# Altium PCB open-watch.PcbDoc
Units mil, origin at the board's own origin, x right, y up, seen from the top; angles counter-clockwise.
Board outline 1968.38 x 1968.4 mil, 4 copper layers (Top Layer, Inner1, Inner2, Bottom Layer), stack 23.756 mil thick; 81 components, 54 nets, 326 pads, 240 vias.
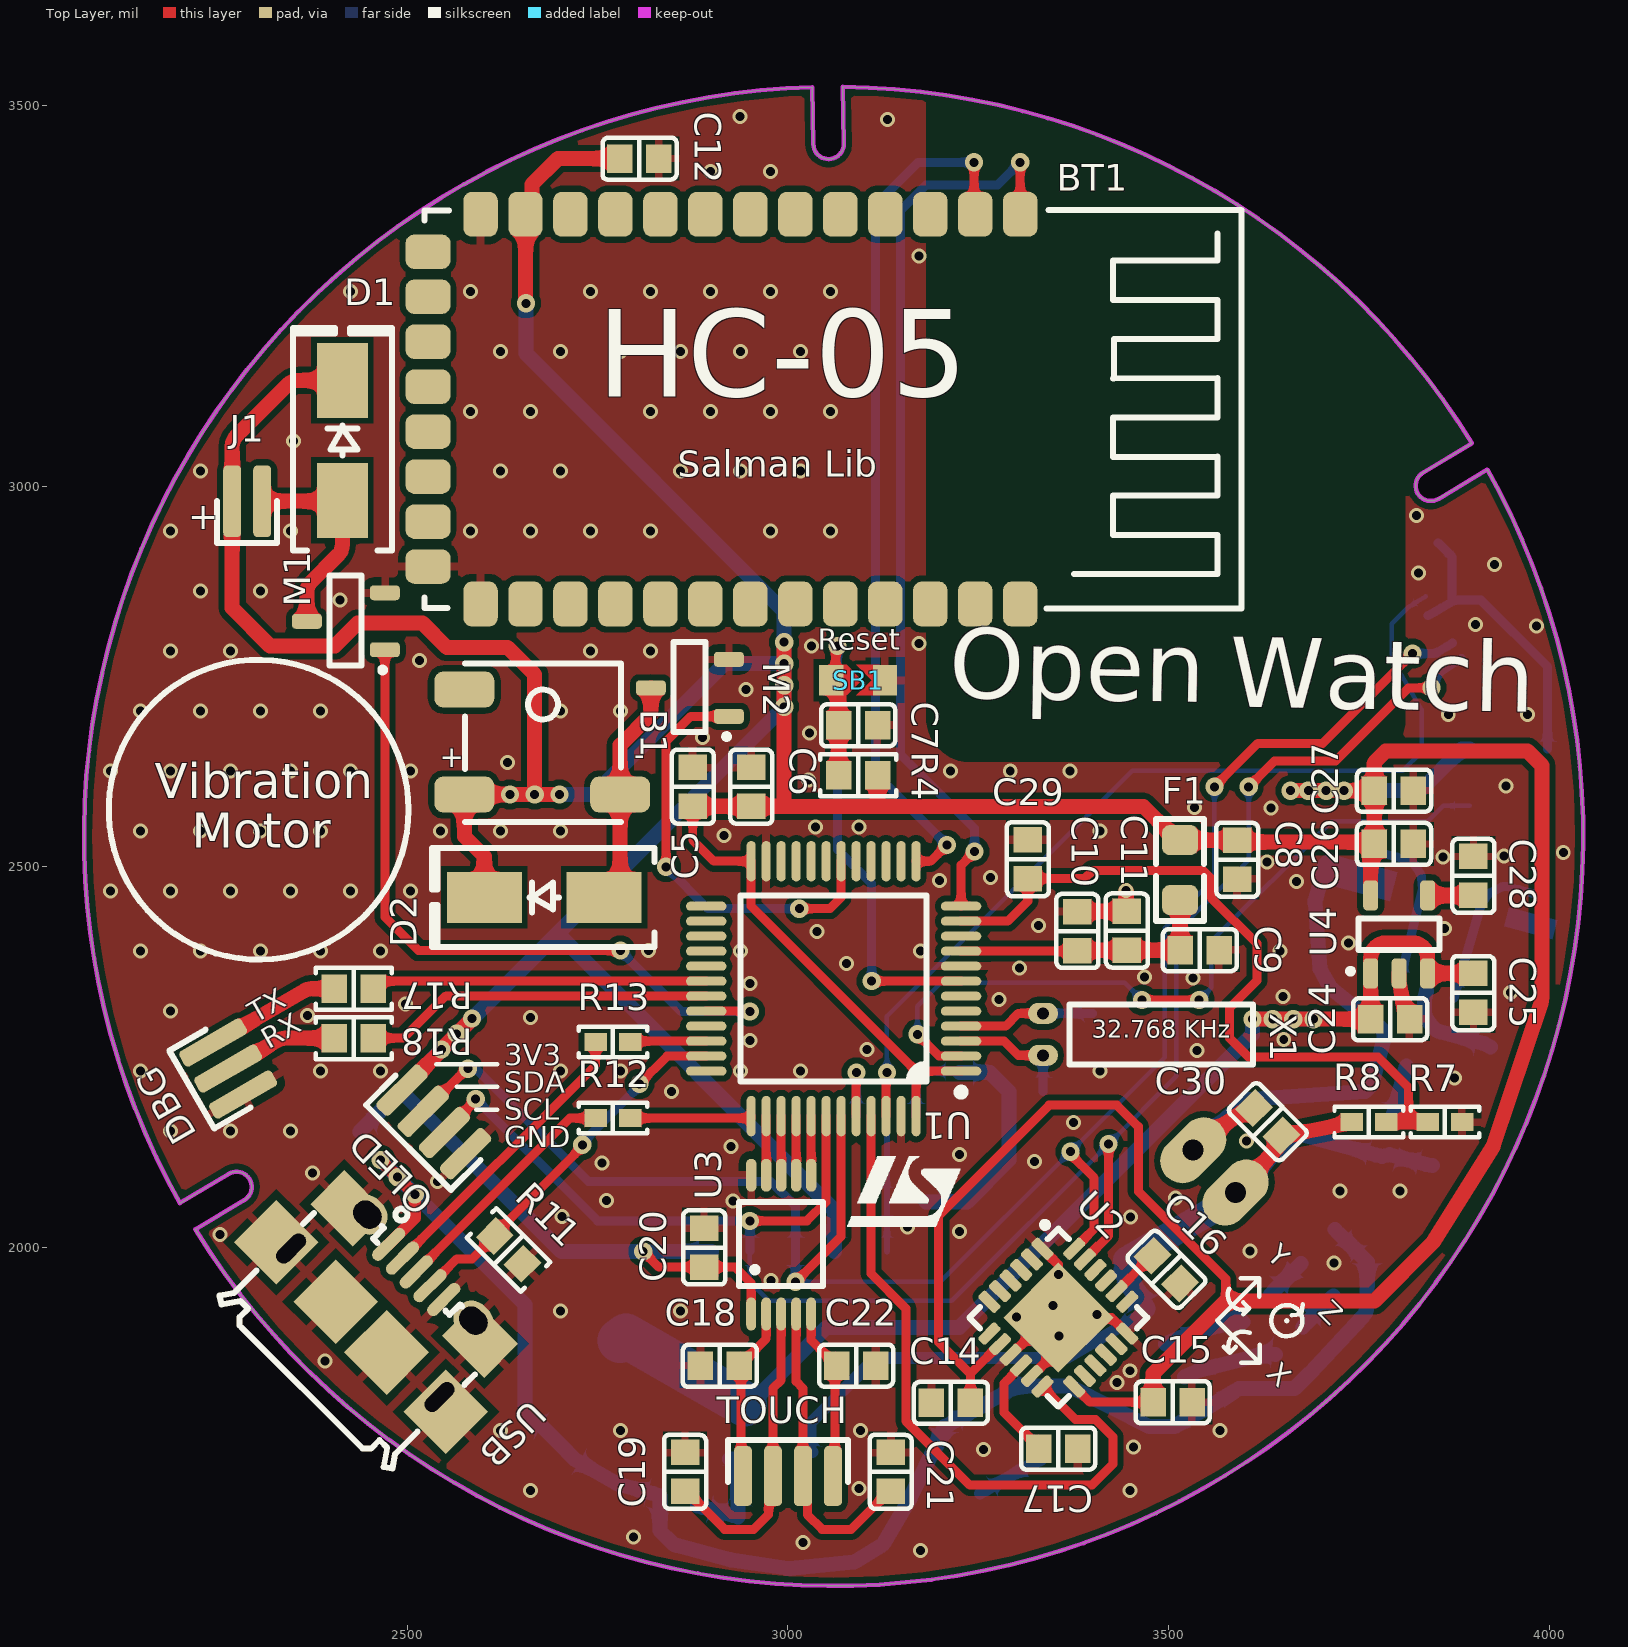
[diagram p0: Top Layer view]
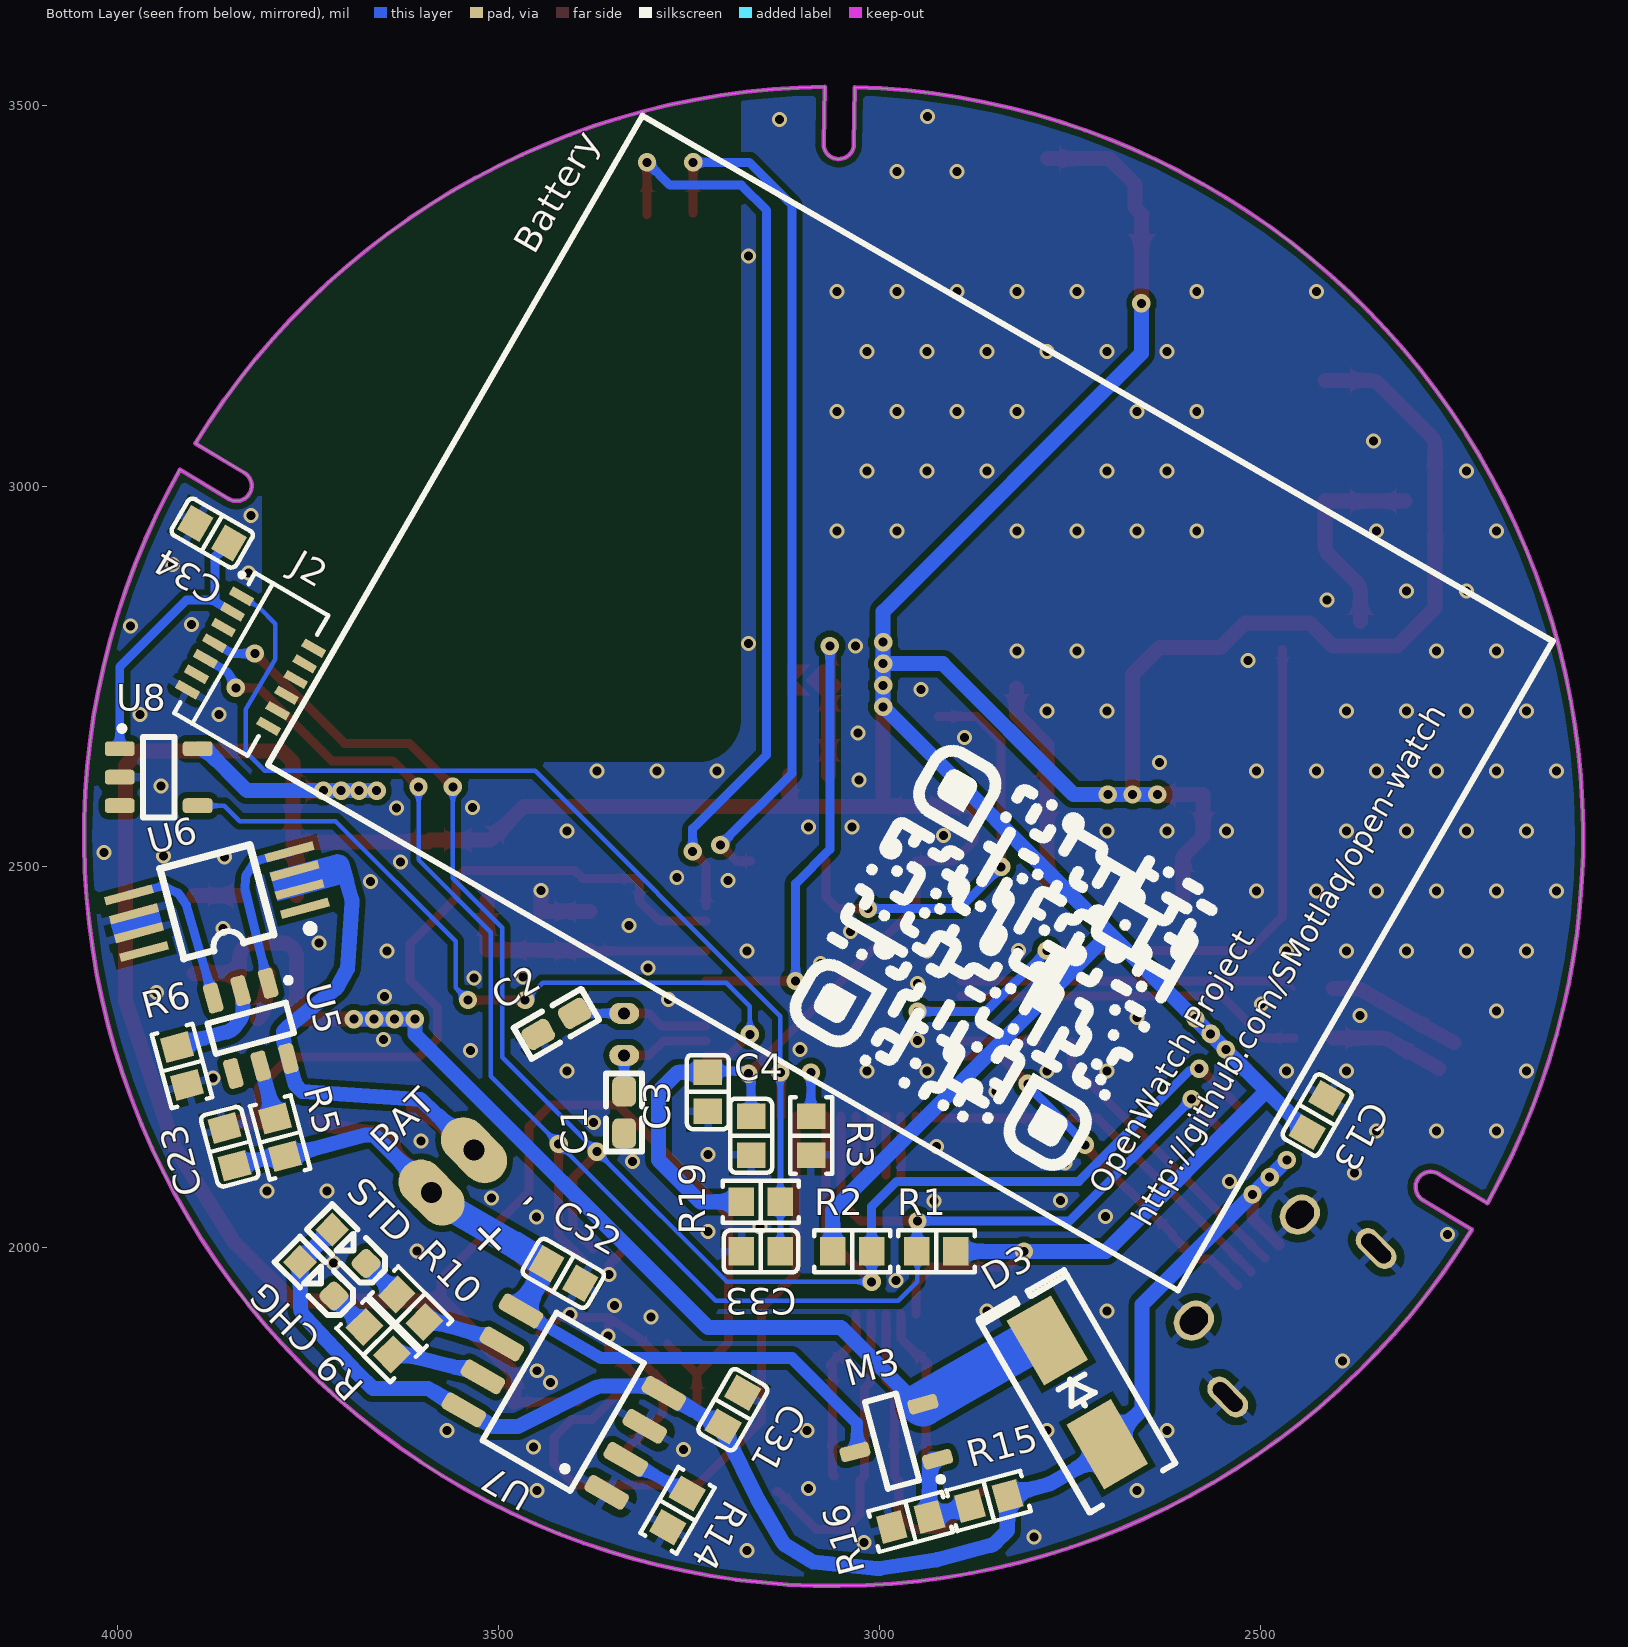
[diagram p1: Bottom Layer view, seen from below]
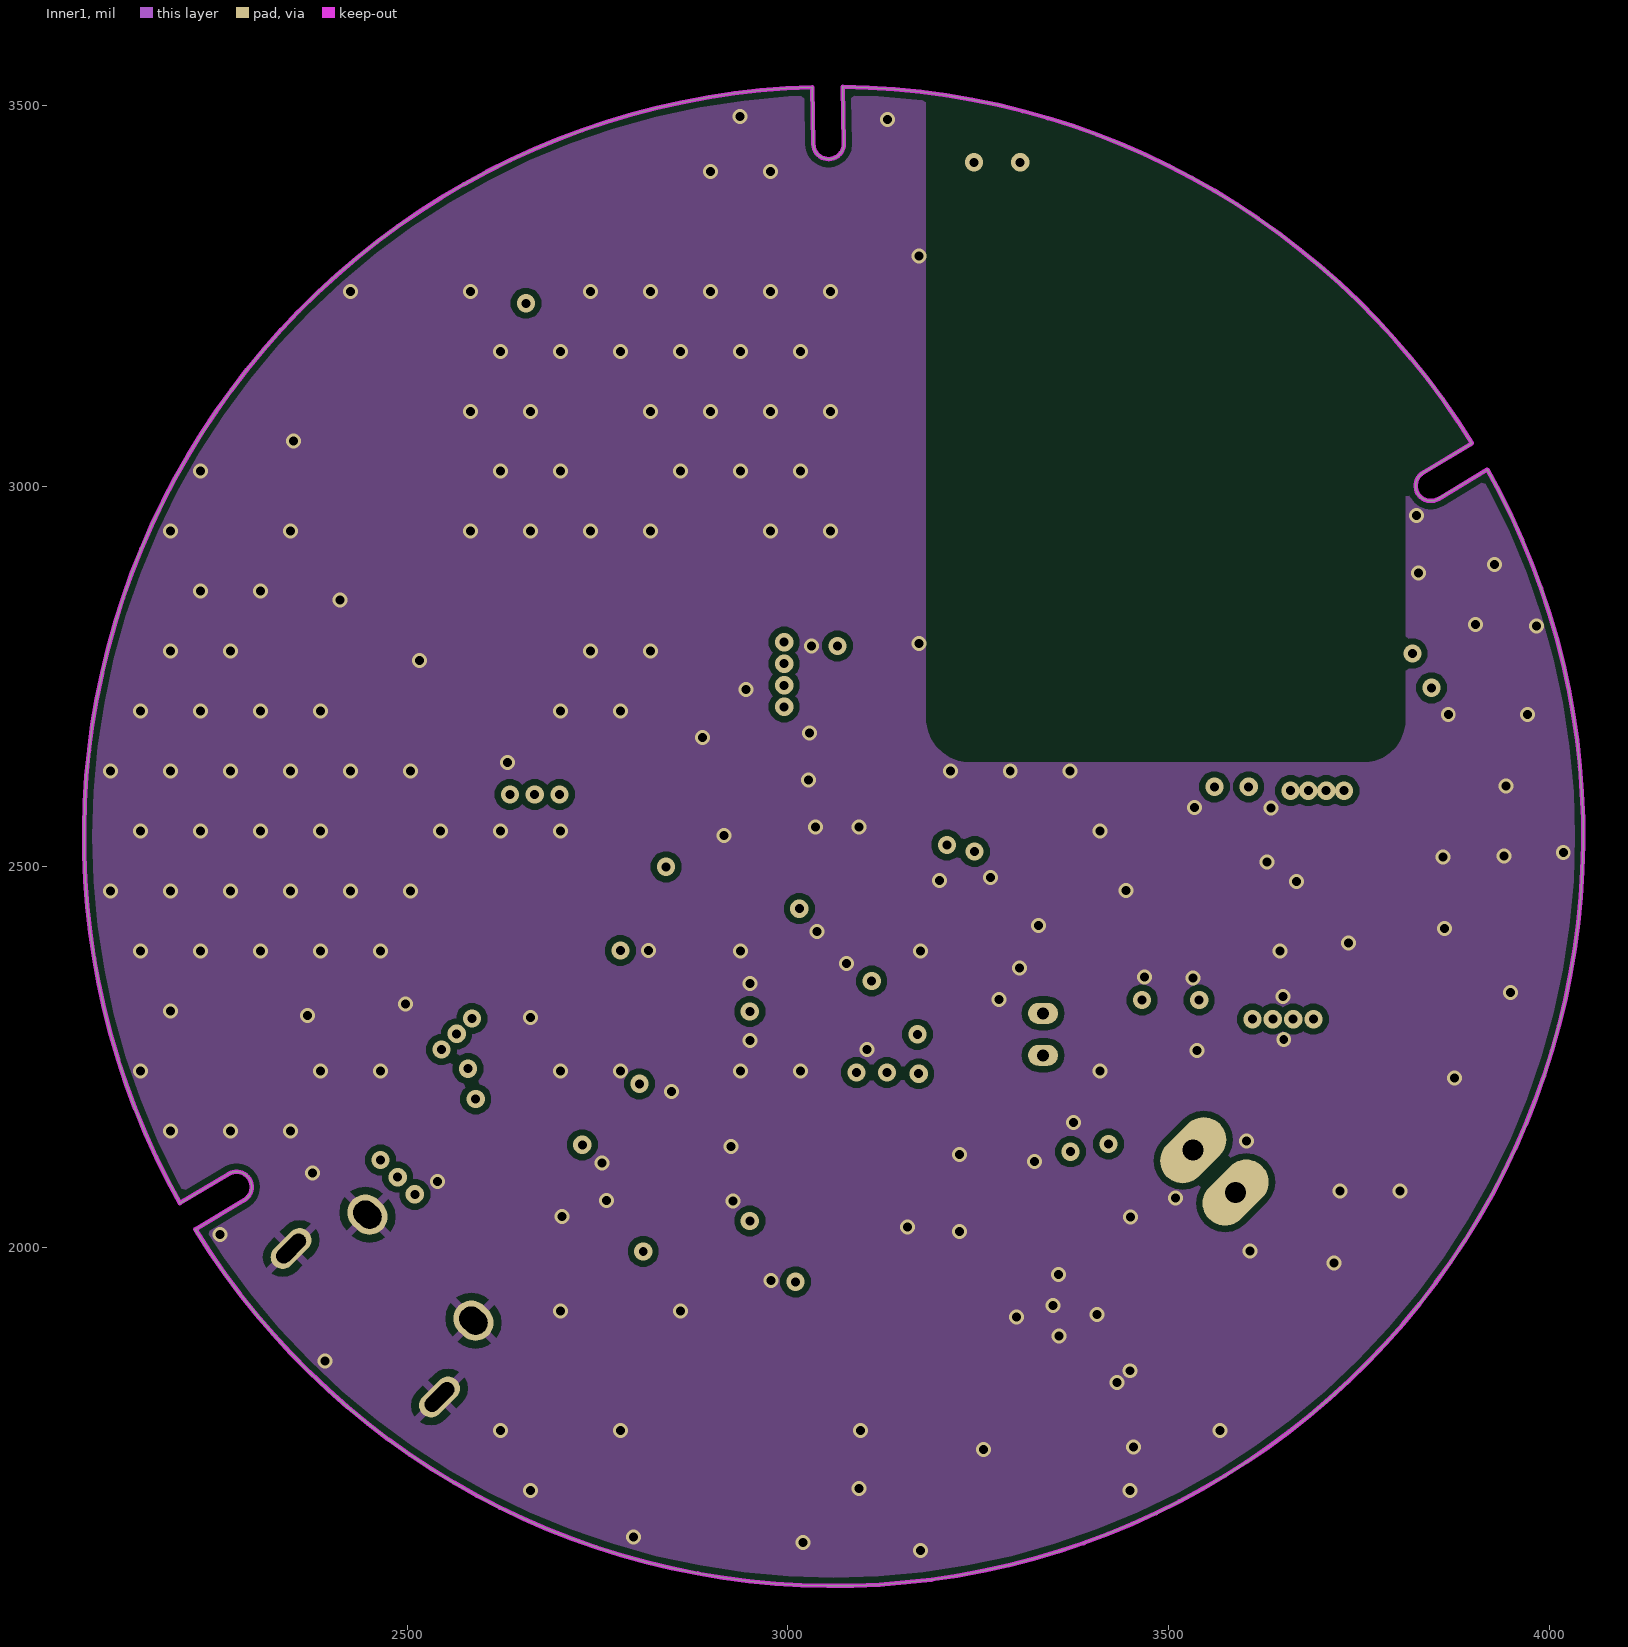
[diagram p2: Inner1]
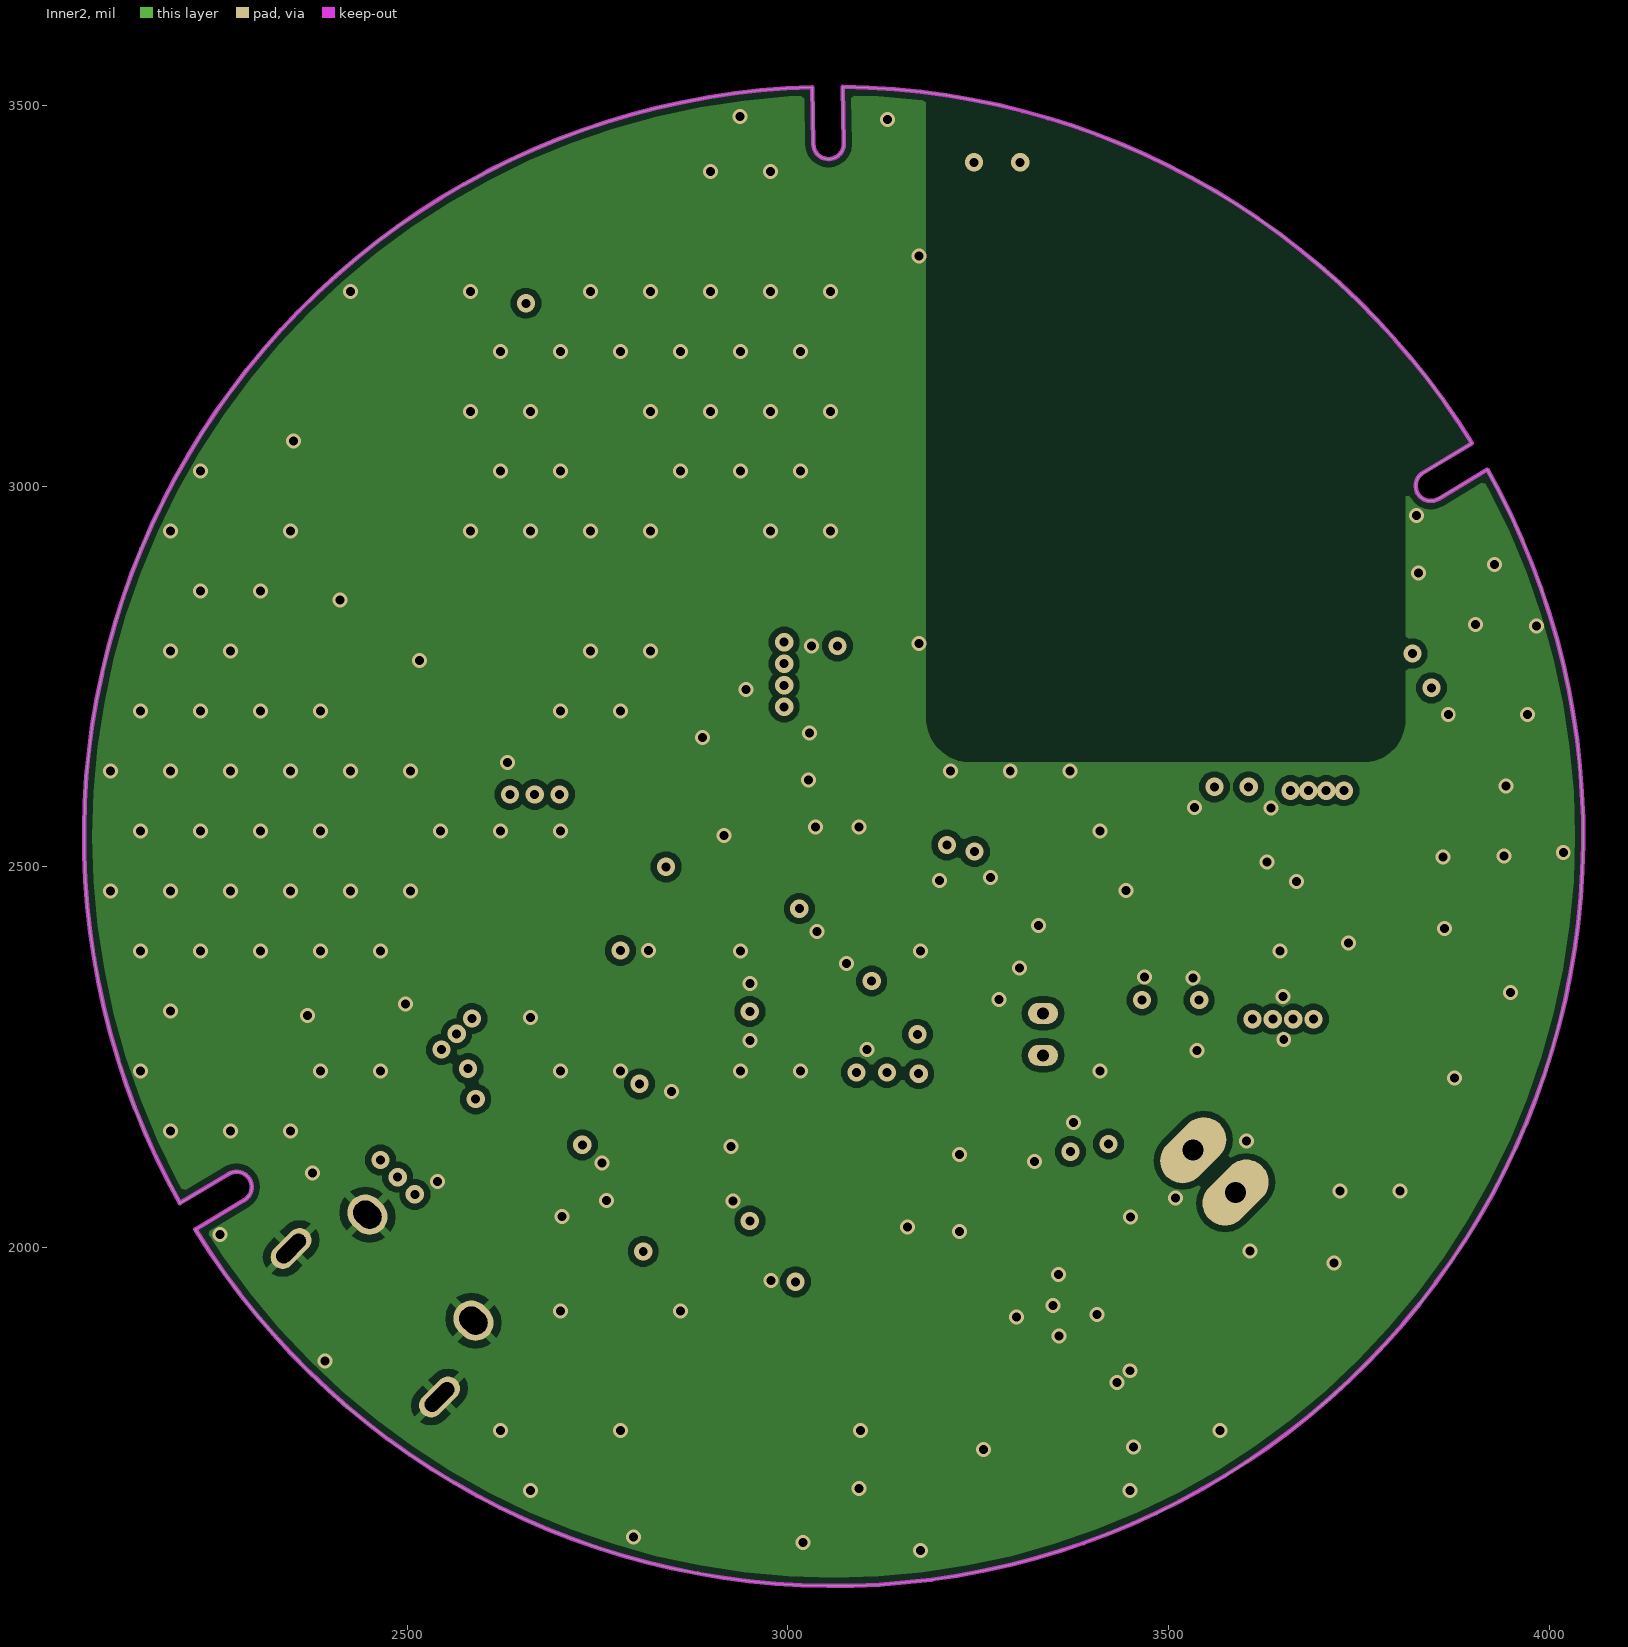
[diagram p3: Inner2]
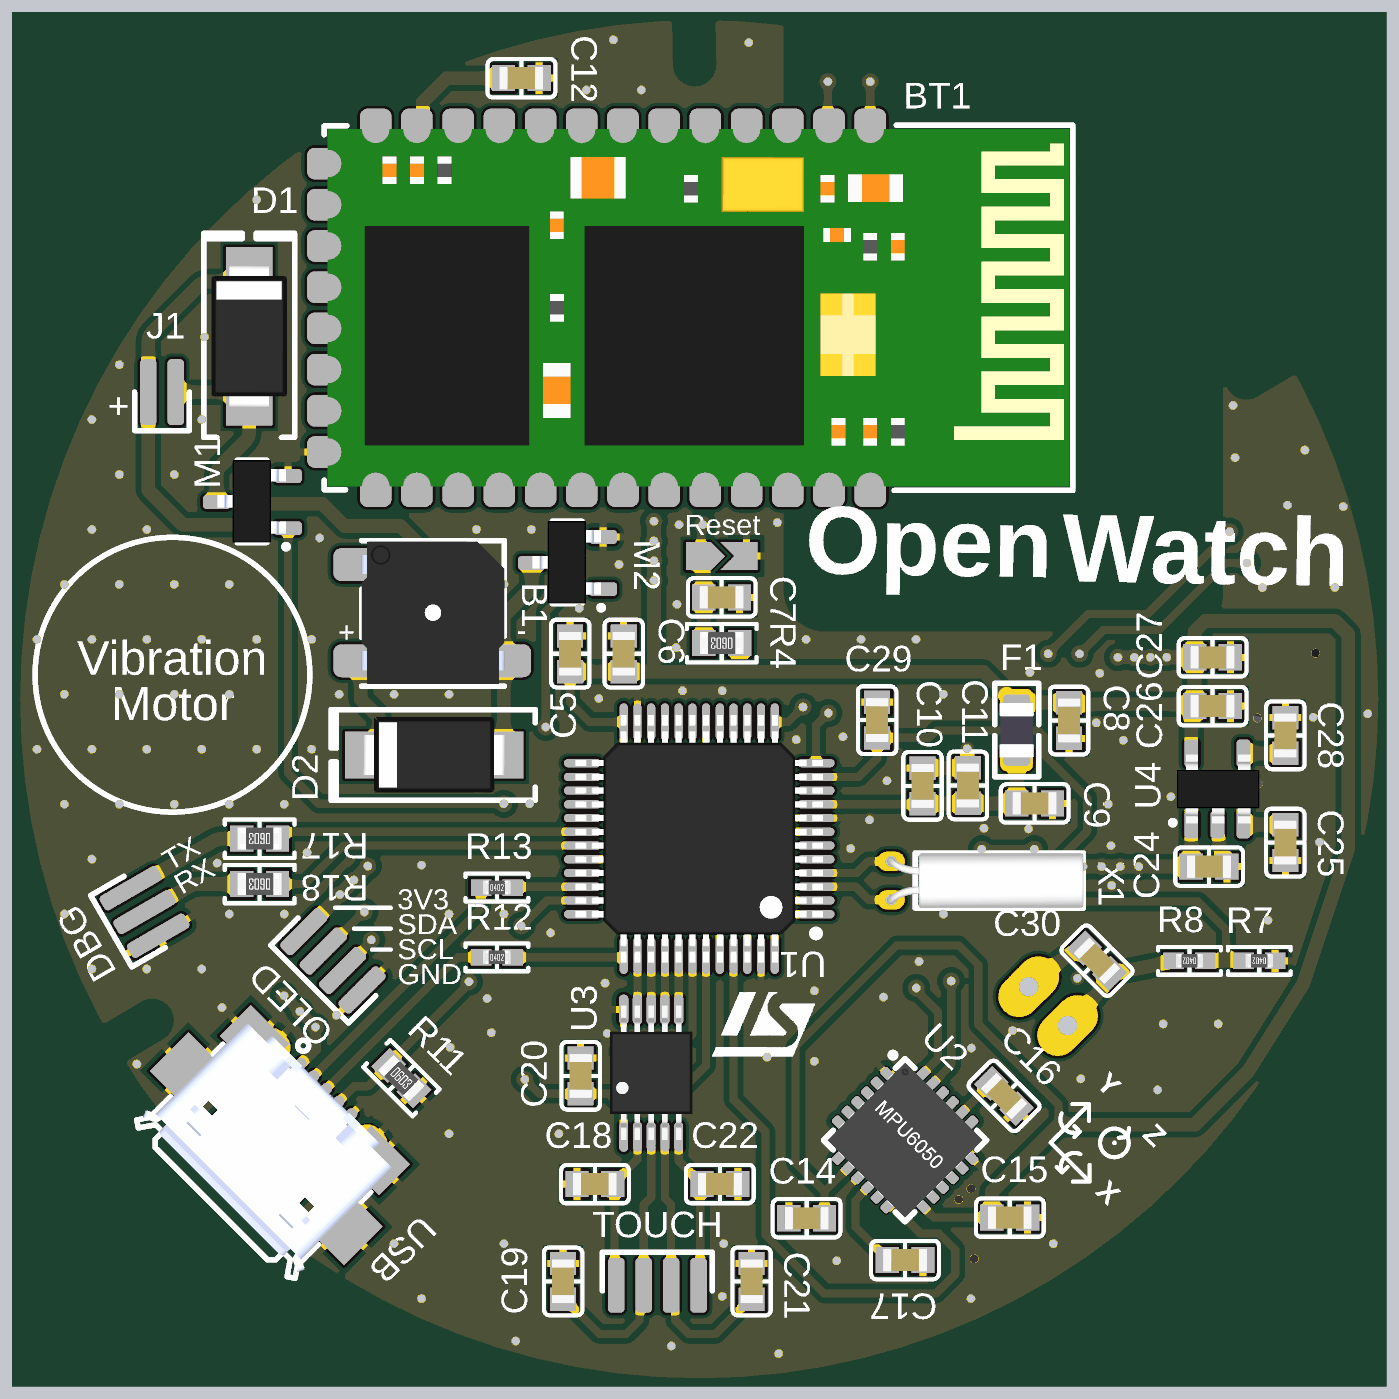
[diagram p4: 3D render of the assembled board from above, using the file's embedded part models]
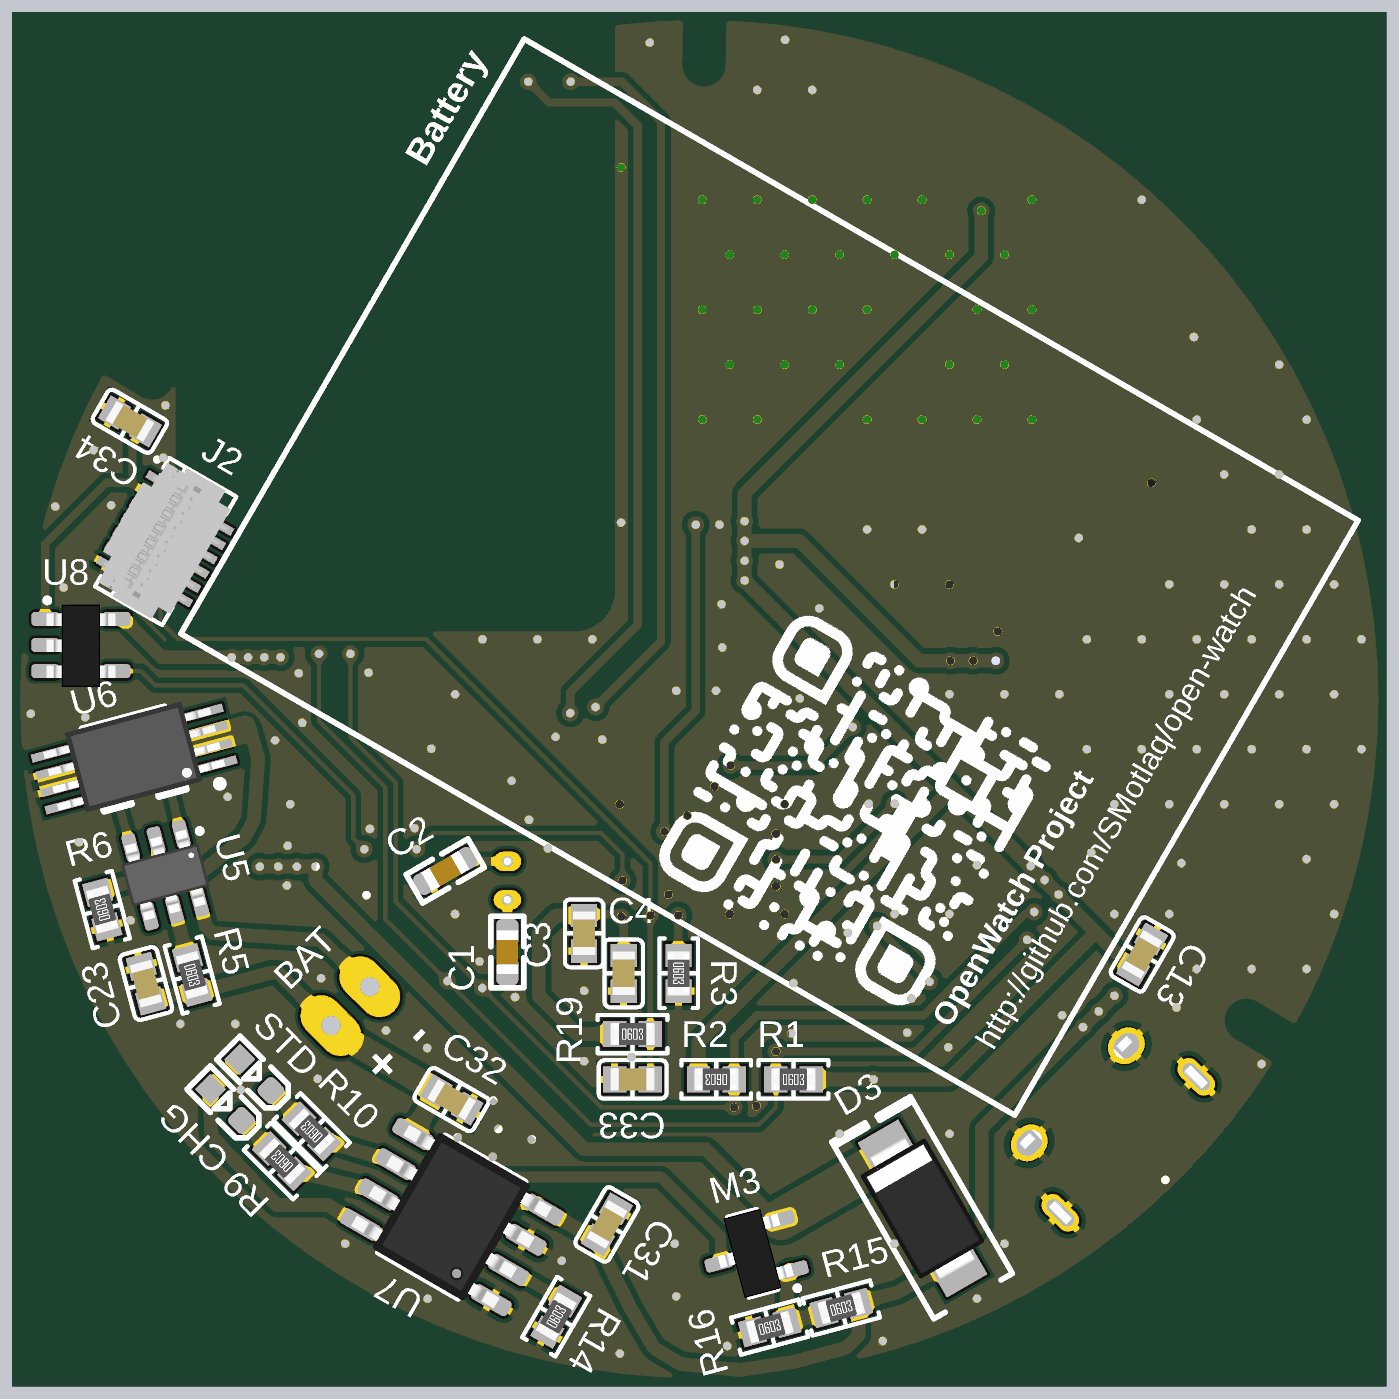
[diagram p5: 3D render of the assembled board from below, using the file's embedded part models]

## Layer stack, top to bottom
Top Solder: solder mask 0.4, Solder Resist, Dk 3.5
Top Layer: signal copper 1.378
Dielectric 2: prepreg 2.8, PP-006, Dk 4.1
Inner1: signal copper 1.4
Dielectric 1: dielectric 12.6, FR-4, Dk 4.8
Inner2: signal copper 1.4
Dielectric 3: prepreg 2.8, PP-006, Dk 4.1
Bottom Layer: signal copper 1.378
Bottom Solder: solder mask 0.4, Solder Resist, Dk 3.5

## Board outline
2201.68,2058.29 2265.63,2096.72 cw(c2275.93,2079.58) 2293.07,2089.88 cw(c2275.93,2079.58) 2286.23,2062.44 2221.94,2023.81 2221.96,2023.82 ccw(c3060,2540) 3918.38,3021.59 3854.44,2983.16 cw(c3844.14,3000.3) 3827,2990 cw(c3844.14,3000.3) 3833.84,3017.44 3898.13,3056.07 3898.11,3056.06 ccw(c3060,2540) 3071.99,3524.18 3073.3,3449.59 cw(c3053.3,3449.24) 3053.65,3429.24 cw(c3053.3,3449.24) 3033.3,3448.89 3032,3523.85 ccw(c3060,2540)

## Design rules (kind name [scope] priority, off if disabled: settings)
Clearance [All] p1: gap=5.9 ignorepadtopadclearanceinfootprint=FALSE except(0: Arc-Hole Track-Hole SMDPad-Hole THPad-Hole Via-Hole Fill-Hole Poly-Hole Region-Hole Text-Hole; 8: Arc-Poly Track-Poly SMDPad-Poly THPad-Poly Via-Poly Fill-Poly Poly-Poly)
HoleSize [All] p1: absolutevalues=TRUE maxlimit=236.22 minlimit=7.87 maxpercent=80.000 minpercent=20.000
PolygonConnect [All] p1: thpad.connectstyle=Relief thpad.reliefconductorwidth=10 thpad.reliefentries=4 thpad.polygonreliefangle="90 Angle" thpad.airgapwidth=10 smdpad.connectstyle=Relief smdpad.reliefconductorwidth=10 smdpad.reliefentries=4 smdpad.polygonreliefangle="90 Angle" smdpad.airgapwidth=10 via.connectstyle=Direct via.reliefconductorwidth=10 via.reliefentries=4 via.polygonreliefangle="90 Angle" via.airgapwidth=10
RoutingVias [All] p1: holewidth=15.75 width=30 viastyle="Through Hole" minholewidth=7.87 minwidth=17.8 maxholewidth=11.81 maxwidth=24
SolderMaskExpansion [All] p1: expansion=4 istentingtop=FALSE
Width Suuply [InNet('SUP') OR InNet('3.3V') OR InNet('NetU5_1') OR InNet('NetU5_3') OR InNet('CHG_OUT') OR InNet('CHG_INP') OR InNet('NetBAT_1') OR InNet('3V3_MAX')] p1: maxlimit=59.06 minlimit=11.81 preferedwidth=19.68
Width Signals [All] p2: maxlimit=19.68 minlimit=6 preferedwidth=11.81
29 further rules are at their usual default settings.

## Classes and differential pairs
component class Power: BAT C23 C24 C25 C26 C27 C28 C29 C30 C31 C32 CHG D3 M3 R5 R6 R7 R8 R9 R10 R11 R12 R13 R14 R15 R16 STD U4 U5 U6 U7 USB
component class MPU6050: C14 C15 C16 C17 U2
component class Motor: D1 J1 M1
component class MCU: C1 C2 C3 C4 C5 C6 C7 C8 C9 C10 C11 F1 R1 R2 R3 R4 SB1 U1 X1
component class MAX30102: C33 C34 J2 R19 U8
component class Keys: C18 C19 C20 C21 C22 TOUCH U3
component class Interface: C13 OLED
component class HC-05: BT1 C12
component class Debug: DBG R17 R18
component class Audio: B1 D2 M2

## Components (designator, comment, footprint, x,y, rotation, side; value= is the part's Value field where it differs from the comment)
B1 "Buzzer" Buzzer-5050 2575,2595 r0 top